# Altium PCB Controller A20.PcbDoc (part 2 of 2) (continued)
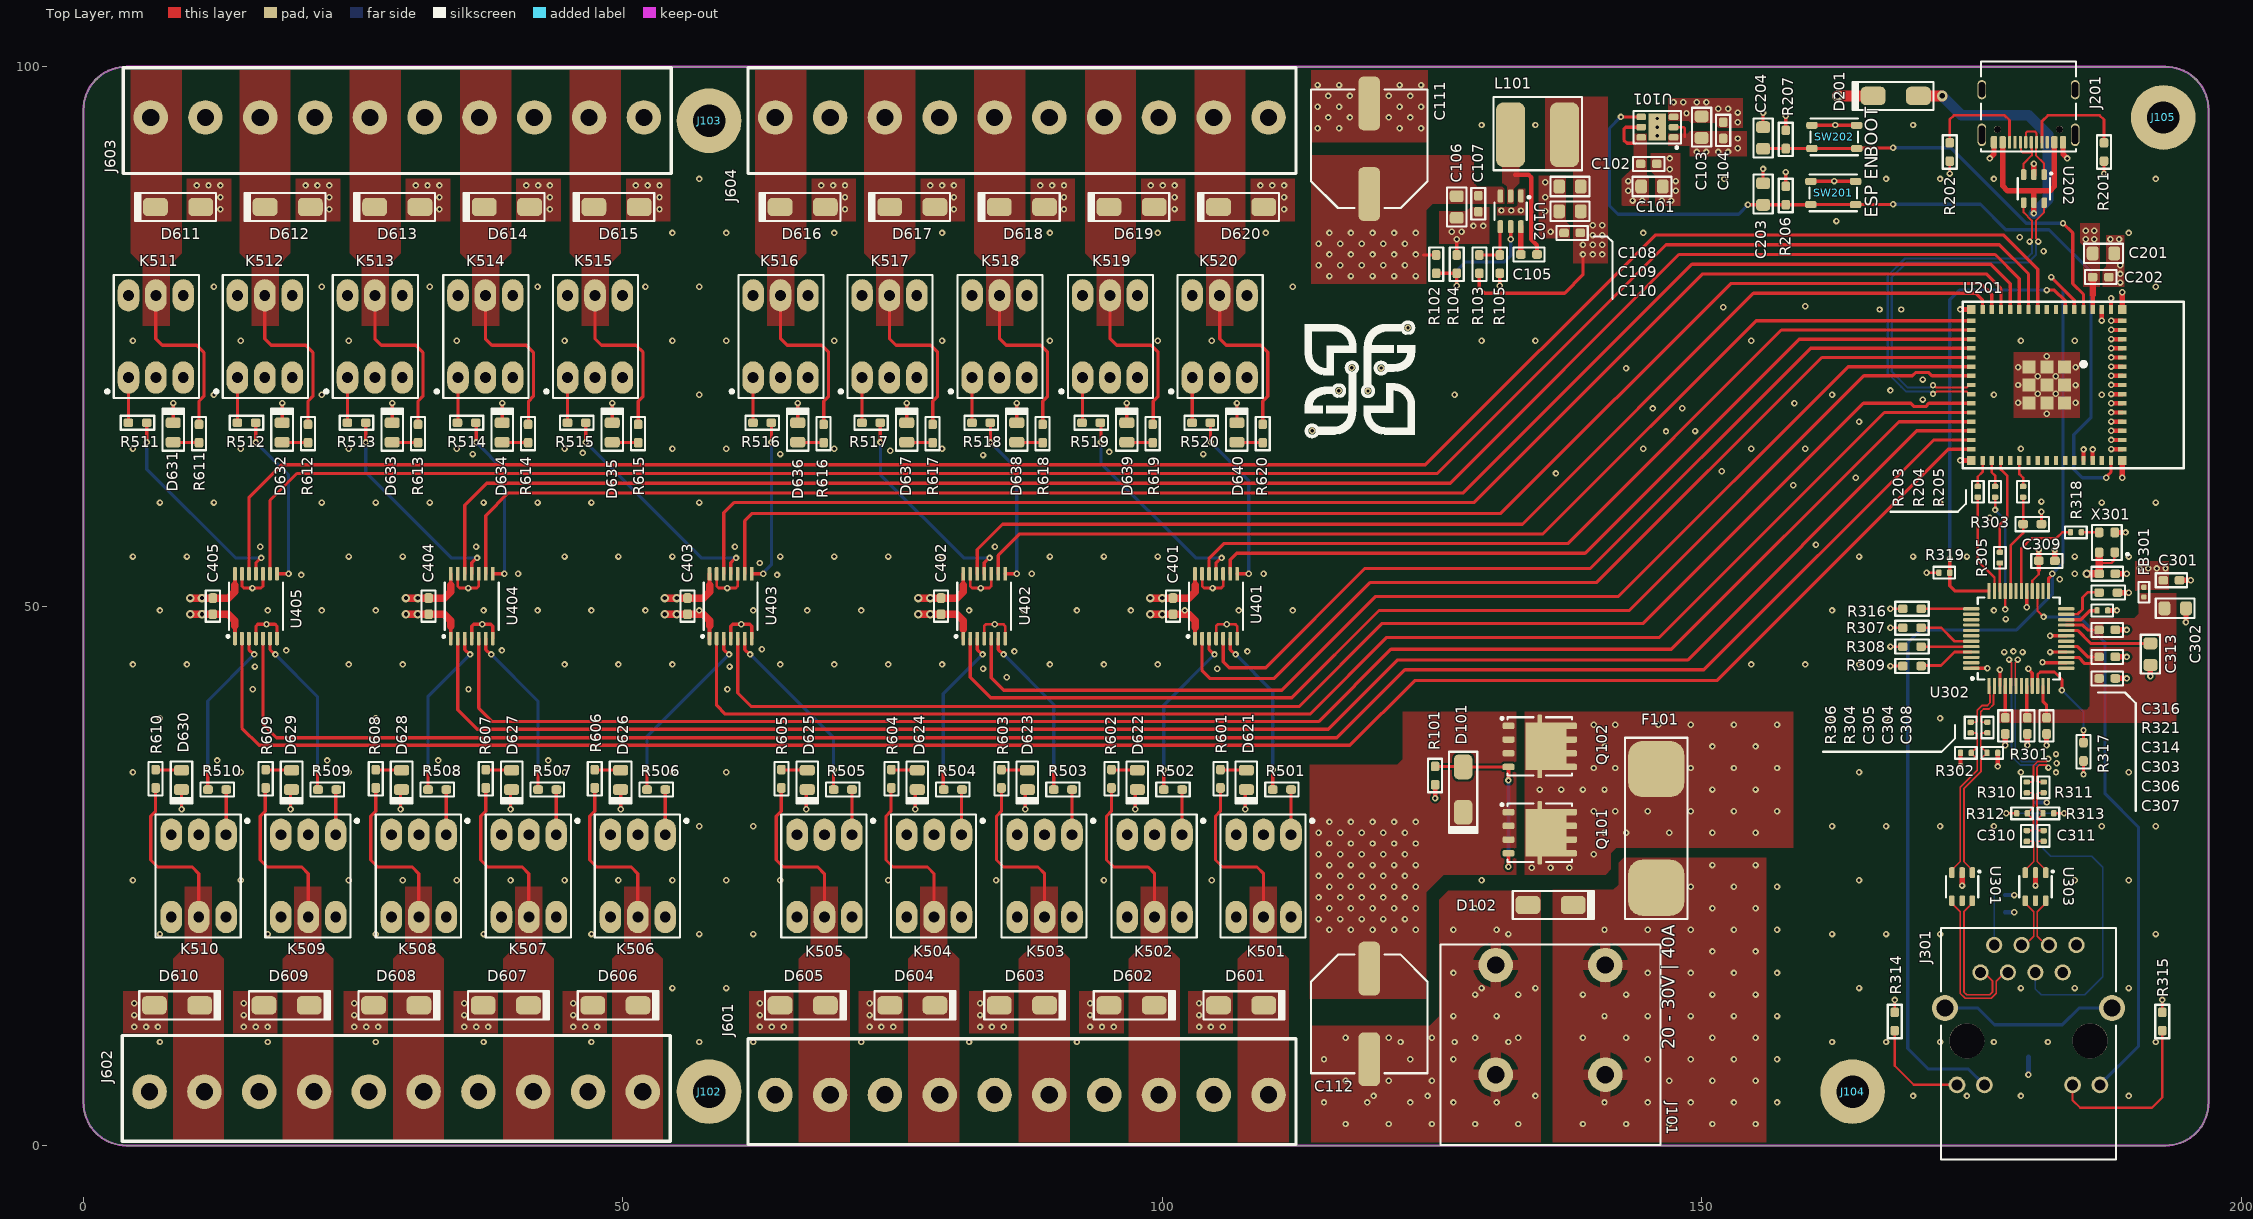
[diagram p0: Top Layer view]
## Nets (pads, with @x,y where several pads share a name; then routed paths per layer and width w, separated by ;. In a path a pad name is that pad's centre, name@x,y a point inside that pad or via, vN(x,y) a via of type N, cw(c..) or ccw(c..) an arc to the next point about the centre after c; other vN are vias at no path point) (continued)
RX_P: C310.1 R310.2 R312.2 | length 5.1
  Top Layer w0.16: C310.1@180.146,29.2 180.664,29.2 180.758,29.294 180.758,29.835 180.758,30.196 180.196,30.758 R312.2@180.196,30.8 ; R310.2@180.15,32.7 180.668,32.7 180.762,32.606 180.762,32.2 180.758,32.196 180.758,31.365 R312.2@180.196,30.803
SSR_A1: K501.1 R501.2 | length 4.2
  Top Layer w0.3: K501.1@111.935,28.805 K501.1@111.94,28.81 111.94,32.99 R501.2@111.945,32.995
SSR_A2: K502.1 R502.2 | length 4.2
  Top Layer w0.3: K502.1@101.835,28.805 K502.1@101.84,28.81 101.84,32.99 R502.2@101.845,32.995
SSR_A3: K503.1 R503.2 | length 4.2
  Top Layer w0.3: K503.1@91.635,28.805 K503.1@91.64,28.81 91.64,32.99 R503.2@91.645,32.995
SSR_A4: K504.1 R504.2 | length 4.2
  Top Layer w0.3: K504.1@81.391,28.805 K504.1@81.396,28.81 81.396,32.99 R504.2@81.401,32.995
SSR_A5: K505.1 R505.2 | length 4.2
  Top Layer w0.3: K505.1@71.231,28.805 K505.1@71.236,28.81 71.236,32.99 R505.2@71.241,32.995
SSR_A6: K506.1 R506.2 | length 4.2
  Top Layer w0.3: K506.1@53.934,28.805 K506.1@53.939,28.81 53.939,32.99 R506.2@53.944,32.995
SSR_A7: K507.1 R507.2 | length 4.2
  Top Layer w0.3: K507.1@43.834,28.805 K507.1@43.839,28.81 43.839,32.99 R507.2@43.844,32.995
SSR_A8: K508.1 R508.2 | length 4.2
  Top Layer w0.3: K508.1@33.634,28.805 K508.1@33.639,28.81 33.639,32.99 R508.2@33.644,32.995
SSR_A9: K509.1 R509.2 | length 4.2
  Top Layer w0.3: K509.1@23.39,28.805 K509.1@23.395,28.81 23.395,32.99 R509.2@23.4,32.995
SSR_A10: K510.1 R510.2 | length 4.2
  Top Layer w0.3: K510.1@13.23,28.805 K510.1@13.235,28.81 13.235,32.99 R510.2@13.24,32.995
SSR_A11: K511.1 R511.2 | length 4.2
  Top Layer w0.3: R511.2@4.171,67 4.176,67.005 4.176,71.185 K511.1@4.181,71.19
SSR_A12: K512.1 R512.2 | length 4.2
  Top Layer w0.3: R512.2@14.271,67 14.276,67.005 14.276,71.185 K512.1@14.281,71.19
SSR_A13: K513.1 R513.2 | length 4.2
  Top Layer w0.3: R513.2@24.471,67 24.476,67.005 24.476,71.185 K513.1@24.481,71.19
SSR_A14: K514.1 R514.2 | length 4.2
  Top Layer w0.3: R514.2@34.715,67 34.72,67.005 34.72,71.185 K514.1@34.725,71.19
SSR_A15: K515.1 R515.2 | length 4.2
  Top Layer w0.3: R515.2@44.875,67 44.88,67.005 44.88,71.185 K515.1@44.885,71.19
SSR_A16: K516.1 R516.2 | length 4.2
  Top Layer w0.3: R516.2@62.074,67.005 62.079,67.01 K516.1@62.079,71.19 K516.1@62.084,71.195
SSR_A17: K517.1 R517.2 | length 4.2
  Top Layer w0.3: R517.2@72.174,67.005 72.179,67.01 K517.1@72.179,71.19 K517.1@72.184,71.195
SSR_A18: K518.1 R518.2 | length 4.2
  Top Layer w0.3: R518.2@82.374,67.005 82.379,67.01 K518.1@82.379,71.19 K518.1@82.384,71.195
SSR_A19: K519.1 R519.2 | length 4.2
  Top Layer w0.3: R519.2@92.618,67.005 92.623,67.01 K519.1@92.623,71.19 K519.1@92.628,71.195
SSR_A20: K520.1 R520.2 | length 4.2
  Top Layer w0.3: R520.2@102.778,67.005 102.783,67.01 K520.1@102.783,71.19 K520.1@102.788,71.195
SW: C105.2 L101.1 U102.2 | length 9
  Top Layer w0.4: 132.7,90 133.966,90 134.2,89.766 134.2,84 134.75,83.45 C105.2@134.75,82.6
TOCAP: C313.2 U302.20 | length 8.3
  Top Layer w0.3: U302.20@183.8,47.75 184.85,47.75 186.05,46.55 C313.2@191.6,46.55
TX_N: R302.1 R306.2 U301.3 | length 14.7
  Top Layer w0.16: U301.3@173.2,25.55 173.985,26.335 173.985,33.21 175.562,34.787 175.562,35.822 R302.1@175,36.384 ; R306.2@174.94,38.25 175.458,38.25 175.552,38.156 175.552,36.968 R302.1@175,36.416
TX_P: R301.1 R304.2 U301.1 | length 14.7
  Top Layer w0.16: U301.1@175.1,25.55 174.315,26.335 174.315,33.073 175.892,34.65 175.892,35.838 R301.1@176.454,36.4 175.882,36.972 175.882,38.156 175.975,38.25 R304.2@176.494,38.25
USB_D_N: J201.A7/B7 U202.1 | length 6.2
  Top Layer w0.2: J201.A7/B7@180.05,93 180.07,93.02 180.07,93.87 180.2,94 180.9,94 181.05,93.85 J201.A7/B7@181.05,93 181,92.95 181,92.35 180.985,92.335 180.985,91.8 181.75,91.035 U202.1@181.75,90
USB_D_P: J201.A6/B6 U202.3 | length 5.2
  Top Layer w0.2: J201.A6/B6@179.55,93 179.6,92.95 179.6,92.2 179.733,92.067 180.615,92.067 ; U202.3@179.85,90 179.85,91.035 180.615,91.8 180.615,92.067 ; J201.A6/B6@180.55,93 180.6,92.95 180.6,92.35 180.615,92.335 180.615,92.067
VBUS: "J201.A4B9/ B4A9" D201.1 U202.5 | length 36.7
  Top Layer w0.5: 177.9,93 177.9,88.975 178.375,88.5 180.8,88.5 ; v1(180.8,86.4) U202.5@180.8,87.4 180.8,88.5 ; 182.7,93 182.7,88.925 182.275,88.5 180.8,88.5
  Top Layer w1: D201.1@170.1,97.3 v5(172.3,97.3)
  Bottom Layer w1: v5(172.3,97.3) 174.1,95.5 180.3,95.5 182.1,93.7 182.1,87.7 v1(180.8,86.4)
VDC: F101.1 Q101.5 Q102.5
  other v1: 134.25,25.75 136,25.75 137.75,25.75 140,27 141,29 143,29 147,29 151,29 155,29 140,31 142,31 145,31 149,31 153,31 157,31 135,33 137,33 139,33 141,33 151,33 155,33 140,35 142,35 149,35 153,35 157,35 141,37 151,37 155,37 140,39 142,39 146,39 149,39 153,39 157,39
VIN: D102.2 F101.2 J101.2
  other v1: 139,2 143,2 147,2 151,2 155,2 141,4 145,4 149,4 153,4 157,4 147,6 151,6 155,6 145,8 149,8 153,8 157,8 139,10 143,10 151,10 155,10 141,12 145,12 149,12 153,12 157,12 139,14 143,14 151,14 155,14 145,16 149,16 153,16 157,16 151,18 155,18 141,20 145,20 149,20 153,20 157,20 151,22 155,22 149,24 153,24 157,24 151,26 155,26
W5500_25MHz: R318.2 U302.30 | length 9.1
  Top Layer w0.23: U302.30@179.65,51.4 179.65,55.35 180.6,56.3 182.9,56.3 183.45,56.85 R318.2@184.2,56.85
W5500_ACTn: J301.12 U302.27 | length 53.1
  Top Layer w0.2: U302.27@181.15,51.4 181.15,49.55 v1(181.7,49)
  Bottom Layer w0.3: v1(181.7,49) 185,49 187.4,46.6 187.4,32.6 190.5,29.5 190.5,9.195 J301.12@186.925,5.62
W5500_CLK: R204.1 U302.33 | length 12.5
  Top Layer w0.23: v1(177.2,58.925) R204.1@177.2,60.1 ; v1(178.15,49.7) U302.33@178.15,51.4
  Bottom Layer w0.23: v1(177.2,58.925) 178.15,57.975 v1(178.15,49.7)
W5500_CS: R205.1 R303.1 U302.32 | length 9.2
  Top Layer w0.23: U302.32@178.65,51.4 178.65,55.625 179.8,56.775 R303.1@179.8,57.6 R205.1@179.8,60.1
W5500_INTn: R319.1 U201.6 U302.36 | length 42.6
  Top Layer w0.3: v1(173,54.4) R319.1@173,53.1 173,51.9 173.5,51.4 U302.36@176.65,51.4 ; v1(182,79.3) 182.7,79.3 183.7,78.3 U201.6@183.7,77.5
  Bottom Layer w0.3: v1(173,54.4) 173,78.4 173.9,79.3 v1(182,79.3)
W5500_LINKn: J301.10 U201.5 U302.25 | length 97.3
  Top Layer w0.3: U302.25@182.15,51.4 182.15,52.542 182.5,52.892 v1(182.5,53) ; v1(182.4,80.5) 184.55,78.35 U201.5@184.55,77.5
  Bottom Layer w0.3: J301.10@176.215,5.62 174.735,7.1 171,7.1 169.1,9 169.1,46.6 170.3,47.8 179.2,47.8 182.5,51.1 v1(182.5,53) 183.5,54 183.5,79.4 v1(182.4,80.5)
W5500_MISO: R305.2 U302.34 | length 2.6
  Top Layer w0.23: U302.34@177.65,51.4 R305.2@177.65,54
W5500_MOSI: R203.1 U302.35 | length 9
  Top Layer w0.23: 175.6,59.8 175.6,59.41 175.6,57.321 175.6,54.2 177.15,52.65 U302.35@177.15,51.4
W5500_RST: R316.1 U302.37 | length 4.7
  Top Layer w0.25: R316.1@170.35,49.754 174.996,49.754 U302.37@175,49.75
W5500_RSVD: R321.2 U302.23 | length 4.6
  Top Layer w0.25: U302.23@183.8,49.25 184.85,49.25 185.3,49.7 185.3,50.8 185.8,51.3 186.804,51.3 R321.2@186.85,51.254
W_RX_N: R311.1 U302.5 | length 18.7
  Top Layer w0.16: v1(178.5,45.05) 178.5,44.971 178.735,44.736 178.735,43.437 178.72,43.422 178.72,42.67 U302.5@178.65,42.6 ; R311.1@181.704,33.7 181.186,33.7 181.092,33.794 181.092,35.067 181.3,35.275 182,35.275 182.15,35.125 v1(182.15,35.04)
  Bottom Layer w0.16: v1(178.5,45.05) 178.5,44.971 178.735,44.736 178.735,36.065 179.525,35.275 181.836,35.275 182.071,35.04 v1(182.15,35.04)
W_RX_P: R310.1 U302.6 | length 18.7
  Top Layer w0.16: U302.6@179.15,42.6 179.08,42.67 179.08,43.422 179.065,43.437 179.065,44.736 179.3,44.971 v1(179.3,45.05) ; R310.1@180.15,33.7 180.668,33.7 180.762,33.794 180.762,35.204 181.163,35.605 182,35.605 182.15,35.755 v1(182.15,35.84)
  Bottom Layer w0.16: v1(179.3,45.05) 179.3,44.971 179.065,44.736 179.065,36.202 179.662,35.605 181.836,35.605 182.071,35.84 v1(182.15,35.84)
W_TX_N: R306.1 U302.1 | length 4.7
  Top Layer w0.16: R306.1@174.94,39.25 175.458,39.25 175.552,39.344 175.552,40.352 176,40.8 176.5,40.8 176.735,41.035 176.735,41.763 176.72,41.778 176.72,42.53 U302.1@176.65,42.6
W_TX_P: R304.1 U302.2 | length 4.7
  Top Layer w0.16: R304.1@176.494,39.25 175.975,39.25 175.882,39.344 175.882,40.215 176.137,40.47 176.637,40.47 177.065,40.898 177.065,41.763 177.08,41.778 177.08,42.53 U302.2@177.15,42.6
pads on no net: J201.A8 J201.B8 J201.H J301. J301.7 K501.3 K502.3 K503.3 K504.3 K505.3 K506.3 K507.3 K508.3 K509.3 K510.3 K511.3 K512.3 K513.3 K514.3 K515.3 K516.3 K517.3 K518.3 K519.3 K520.3 U201.7 U201.8 U201.34 U201.36 U201.37 U201.38 U201.39 U201.40 U201.41 U201.44 U301.5 U302.7 U302.12 U302.13 U302.18 U302.24 U302.26 U302.31 U302.38 U302.39 U302.40 U302.41 U302.42 U302.46 U302.47 U303.5

## Polygon pours and split planes (outlines as drawn)
VIN on Top Layer "VIN_L01_P005" (solid, remove dead copper, pour order 5): 142.8,26.7 142.3,26.2 142.3,24.2 141.8,23.7 136.2,23.7 136.2,0.1 156,0.1 156,26.7
GND on Top Layer "GND_L01_P117" (solid, remove dead copper, pour order 117): 132.95,88.7 133.675,88.7 133.675,86.225 131.05,86.225 131.05,87.025 132.825,87.025 132.95,87.15
GND on Top Layer "GND_L01_P110" (solid, remove dead copper, pour order 110): 113.8,93 124.6,93 124.6,100 113.8,100
+5V on Top Layer "+5V_L01_P015" (solid, remove dead copper, pour order 15): 135.5,97.2 135.5,90.3 138.1,90.3 138.1,81.8 141.3,81.8 141.3,97.2
GND on Top Layer "GND_L01_P108" (solid, remove dead copper, pour order 108): 137.4,89.9 137.4,85.7 137.8,85.3 137.8,84.1 134.9,84.1 134.9,89.9
GND on Top Layer "GND_L01_P107" (solid, remove dead copper, pour order 107): 125.7,86.6 128.2,86.6 128.7,87.1 130.3,87.1 130.3,83.6 125.7,83.6
GND on Top Layer "GND_L01_P066" (solid, remove dead copper, pour order 66): 106.521,14.3 102.421,14.3 102.421,10.4 106.521,10.4
LOAD1 on Top Layer "LOAD1_L01_P065" (solid, remove dead copper, pour order 65): 110.621,24 110.621,18.4 111.721,17.3 111.721,0 107.021,0 107.021,17.3 108.121,18.4 108.121,24
GND on Top Layer "GND_L01_P064" (solid, remove dead copper, pour order 64): 96.421,14.3 92.321,14.3 92.321,10.4 96.421,10.4
LOAD2 on Top Layer "LOAD2_L01_P063" (solid, remove dead copper, pour order 63): 100.521,24 100.521,18.4 101.621,17.3 101.621,0 96.921,0 96.921,17.3 98.021,18.4 98.021,24
GND on Top Layer "GND_L01_P062" (solid, remove dead copper, pour order 62): 86.221,14.3 82.121,14.3 82.121,10.4 86.221,10.4
LOAD3 on Top Layer "LOAD3_L01_P061" (solid, remove dead copper, pour order 61): 90.321,24 90.321,18.4 91.421,17.3 91.421,0 86.721,0 86.721,17.3 87.821,18.4 87.821,24
GND on Top Layer "GND_L01_P060" (solid, remove dead copper, pour order 60): 75.977,14.3 71.877,14.3 71.877,10.4 75.977,10.4
LOAD4 on Top Layer "LOAD4_L01_P059" (solid, remove dead copper, pour order 59): 80.077,24 80.077,18.4 81.177,17.3 81.177,0 76.477,0 76.477,17.3 77.577,18.4 77.577,24
GND on Top Layer "GND_L01_P058" (solid, remove dead copper, pour order 58): 65.817,14.3 61.717,14.3 61.717,10.4 65.817,10.4
LOAD5 on Top Layer "LOAD5_L01_P057" (solid, remove dead copper, pour order 57): 69.917,24 69.917,18.4 71.017,17.3 71.017,0 66.317,0 66.317,17.3 67.417,18.4 67.417,24
GND on Top Layer "GND_L01_P056" (solid, remove dead copper, pour order 56): 48.515,14.295 44.415,14.295 44.415,10.395 48.515,10.395
LOAD6 on Top Layer "LOAD6_L01_P055" (solid, remove dead copper, pour order 55): 52.615,23.995 52.615,18.395 53.715,17.295 53.715,-0.005 49.015,-0.005 49.015,17.295 50.115,18.395 50.115,23.995
GND on Top Layer "GND_L01_P054" (solid, remove dead copper, pour order 54): 38.415,14.295 34.315,14.295 34.315,10.395 38.415,10.395
LOAD7 on Top Layer "LOAD7_L01_P053" (solid, remove dead copper, pour order 53): 42.515,23.995 42.515,18.395 43.615,17.295 43.615,-0.005 38.915,-0.005 38.915,17.295 40.015,18.395 40.015,23.995
GND on Top Layer "GND_L01_P052" (solid, remove dead copper, pour order 52): 28.215,14.295 24.115,14.295 24.115,10.395 28.215,10.395
LOAD8 on Top Layer "LOAD8_L01_P051" (solid, remove dead copper, pour order 51): 32.315,23.995 32.315,18.395 33.415,17.295 33.415,-0.005 28.715,-0.005 28.715,17.295 29.815,18.395 29.815,23.995
GND on Top Layer "GND_L01_P050" (solid, remove dead copper, pour order 50): 17.971,14.295 13.871,14.295 13.871,10.395 17.971,10.395
LOAD9 on Top Layer "LOAD9_L01_P049" (solid, remove dead copper, pour order 49): 22.071,23.995 22.071,18.395 23.171,17.295 23.171,-0.005 18.471,-0.005 18.471,17.295 19.571,18.395 19.571,23.995
GND on Top Layer "GND_L01_P048" (solid, remove dead copper, pour order 48): 7.811,14.295 3.711,14.295 3.711,10.395 7.811,10.395
LOAD10 on Top Layer "LOAD10_L01_P047" (solid, remove dead copper, pour order 47): 11.911,23.995 11.911,18.395 13.011,17.295 13.011,-0.005 8.311,-0.005 8.311,17.295 9.411,18.395 9.411,23.995
GND on Top Layer "GND_L01_P044" (solid, remove dead copper, pour order 44): 108.202,85.7 112.302,85.7 112.302,89.6 108.202,89.6
LOAD20 on Top Layer "LOAD20_L01_P043" (solid, remove dead copper, pour order 43): 104.102,76 104.102,81.6 103.002,82.7 103.002,100 107.702,100 107.702,82.7 106.602,81.6 106.602,76
GND on Top Layer "GND_L01_P042" (solid, remove dead copper, pour order 42): 98.047,85.705 102.147,85.705 102.147,89.605 98.047,89.605
LOAD19 on Top Layer "LOAD19_L01_P041" (solid, remove dead copper, pour order 41): 93.947,76.005 93.947,81.605 92.847,82.705 92.847,100.005 97.547,100.005 97.547,82.705 96.447,81.605 96.447,76.005
GND on Top Layer "GND_L01_P040" (solid, remove dead copper, pour order 40): 87.798,85.7 91.898,85.7 91.898,89.6 87.798,89.6
LOAD18 on Top Layer "LOAD18_L01_P039" (solid, remove dead copper, pour order 39): 83.698,76 83.698,81.6 82.598,82.7 82.598,100 87.298,100 87.298,82.7 86.198,81.6 86.198,76
GND on Top Layer "GND_L01_P038" (solid, remove dead copper, pour order 38): 77.598,85.7 81.698,85.7 81.698,89.6 77.598,89.6
LOAD17 on Top Layer "LOAD17_L01_P037" (solid, remove dead copper, pour order 37): 73.498,76 73.498,81.6 72.398,82.7 72.398,100 77.098,100 77.098,82.7 75.998,81.6 75.998,76
GND on Top Layer "GND_L01_P036" (solid, remove dead copper, pour order 36): 67.498,85.7 71.598,85.7 71.598,89.6 67.498,89.6
LOAD16 on Top Layer "LOAD16_L01_P035" (solid, remove dead copper, pour order 35): 63.398,76 63.398,81.6 62.298,82.7 62.298,100 66.998,100 66.998,82.7 65.898,81.6 65.898,76
GND on Top Layer "GND_L01_P034" (solid, remove dead copper, pour order 34): 50.304,85.7 54.404,85.7 54.404,89.6 50.304,89.6
LOAD15 on Top Layer "LOAD15_L01_P033" (solid, remove dead copper, pour order 33): 46.204,76 46.204,81.6 45.104,82.7 45.104,100 49.804,100 49.804,82.7 48.704,81.6 48.704,76
GND on Top Layer "GND_L01_P032" (solid, remove dead copper, pour order 32): 40.144,85.7 44.244,85.7 44.244,89.6 40.144,89.6
LOAD14 on Top Layer "LOAD14_L01_P031" (solid, remove dead copper, pour order 31): 36.044,76 36.044,81.6 34.944,82.7 34.944,100 39.644,100 39.644,82.7 38.544,81.6 38.544,76
GND on Top Layer "GND_L01_P030" (solid, remove dead copper, pour order 30): 29.9,85.7 34,85.7 34,89.6 29.9,89.6
LOAD13 on Top Layer "LOAD13_L01_P029" (solid, remove dead copper, pour order 29): 25.8,76 25.8,81.6 24.7,82.7 24.7,100 29.4,100 29.4,82.7 28.3,81.6 28.3,76
GND on Top Layer "GND_L01_P028" (solid, remove dead copper, pour order 28): 19.7,85.7 23.8,85.7 23.8,89.6 19.7,89.6
LOAD12 on Top Layer "LOAD12_L01_P027" (solid, remove dead copper, pour order 27): 15.6,76 15.6,81.6 14.5,82.7 14.5,100 19.2,100 19.2,82.7 18.1,81.6 18.1,76
GND on Top Layer "GND_L01_P026" (solid, remove dead copper, pour order 26): 9.6,85.7 13.7,85.7 13.7,89.6 9.6,89.6
LOAD11 on Top Layer "LOAD11_L01_P025" (solid, remove dead copper, pour order 25): 5.5,76 5.5,81.6 4.4,82.7 4.4,100 9.1,100 9.1,82.7 8,81.6 8,76
GND on Top Layer "GND_L01_P020" (solid, remove dead copper, pour order 20): 151.6,94.35 151.15,94.8 149,94.8 148.8,95 146.9,95 146.9,97.1 148.9,97.1 153.8,97.1 153.8,94.35
+3V3 on Top Layer "+3V3_L01_P019" (solid, remove dead copper, pour order 19): 148.9,91.7 154.2,91.7 154.2,94 148.9,94 148.7,93.8 146.9,93.8 146.9,92.7 148.9,92.7
GND on Top Layer "GND_L01_P018" (solid, remove dead copper, pour order 18): 145.7,87.1 145.7,89.9 145.3,90.3 145.3,92 148,92 148,87.1
+5V on Top Layer "+5V_L01_P017" (solid, remove dead copper, pour order 17): 143.7,90.7 142.6,89.6 142.6,87 142.7,87.1 145.1,87.1 145.1,89.8 144.9,90 144.9,93.8 143.7,93.8
SW on Top Layer "SW_L01_P014" (solid, remove dead copper, pour order 14): 132,87.3 132,88.7 131.5,89.2 131.5,90.4 131.5,93.7 133.1,93.7 133.1,89.2 132.6,88.7 132.6,87.3
+24V on Top Layer "+24V_L01_P011" (solid, remove dead copper, pour order 11): 131.7,88.7 131.5,88.9 129.2,88.9 129,89.1 128.9,89.2 128.9,91.4 128.5,91.8 113.8,91.8 113.8,79.9 124.5,79.9 124.5,86.7 125.1,87.3 131.7,87.3
GND on Top Layer "GND_L01_P008" (solid, remove dead copper, pour order 8): 113.8,11.1 124.8,11.1 125.7,12 125.7,22.8 126.5,23.6 135.1,23.6 135.1,0.1 113.8,0.1
+24V on Top Layer "+24V_L01_P007" (solid, remove dead copper, pour order 7): 121.8,35.3 122.3,35.8 122.3,40.2 132.8,40.2 132.8,25.1 126.1,25.1 124.5,23.5 124.5,13.6 113.7,13.6 113.7,35.3
VDC on Top Layer "VDC_L01_P006" (solid, remove dead copper, pour order 6): 141.6,25.6 141.1,25.1 133.6,25.1 133.6,40.2 158.5,40.2 158.5,27.6 142.1,27.6 141.6,27.1
GND on Top Layer "GND_L01_P004" (solid, remove dead copper, pour order 4): 189.2,84.4 187.5,84.4 187.5,81.5 187.2,81.2 187.2,79.6 189.2,79.6
+3V3 on Top Layer "+3V3_L01_P003" (solid, remove dead copper, pour order 3): 185.1,83.7 185.4,83.4 185.4,79.6 186.9,79.6 186.9,85.5 185.1,85.5
+3V3 on Top Layer "+3V3_L01_P002" (solid, remove dead copper, pour order 2): 190.2,51.45 193.3,51.45 193.3,54.15 190.2,54.15
GND on Top Layer "GND_L01_P001" (solid, pour order 1): 178.951,73.548 185.047,73.548 185.047,67.452 178.951,67.452
+3V3A on Top Layer "+3V3A_L01_P000" (solid, remove dead copper, pour order 0): 194,51.2 194,39.2 177.4,39.2 177.4,40.4 185.7,40.4 186,40.7 186,48.9 190.1,48.9 190.5,49.3 190.5,51.2
+3V3 on L3 (PWR) "+3V3_L03_P121" (solid, remove dead copper, pour order 121): 149,43 150,42 160.5,42 162.3,40.2 162.3,0 197,0 197,100 149,100
GND on L3 (PWR) "GND_L03_P118" (solid, remove dead copper, pour order 118): 176.4,57.2 175.9,57.7 175.9,59.7 179,59.7 179,47.9 180.5,46.4 180.5,37.5 181.3,36.7 183.6,36.7 183.6,34.1 179.3,34.1 177.3,36.1 177.3,46.4 176.4,47.3
VIN on L3 (PWR) "VIN_L03_P115" (solid, remove dead copper, pour order 115): 158.8,26.7 159,26.5 159,0.1 127.5,0.1 127.5,23.2 128,23.7 141.8,23.7 142.3,24.2 142.3,26.2 142.8,26.7
VDC on L3 (PWR) "VDC_L03_P116" (solid, remove dead copper, pour order 116): 158.6,27.6 158.9,27.9 158.9,39 127.5,39 127.5,25.5 127.9,25.1 141.1,25.1 141.6,25.6 141.6,27.1 142.1,27.6
+5V on L3 (PWR) "+5V_L03_P016" (solid, remove dead copper, pour order 16): 146,41 145,40 10,40 9,41 9,59 10,60 127,60 128,61 128,100 146,100
+24V on L3 (PWR) "+24V_L03_P010" (solid, remove dead copper, pour order 10): 123,37 124.5,35.5 124.5,0 -0.004,0 -0.004,100 125,100 125,64 124,63 9,63 8,62 8,38 9,37
GND on L3 (PWR) "GND_L03_P021" (solid, remove dead copper, pour order 21): 182.2,85.1 182.2,81.1 170.4,81.1 168.9,79.6 168.9,72.6 169.9,71.6 173.1,71.6 173.1,68.6 168.2,68.6 166.1,70.7 166.1,82.4 166.8,83.1 179.1,83.1 179.1,85.1
GND on Bottom Layer "GND_L04_P114" (solid, remove dead copper, pour order 114): 0,0 197,0 197,100 0,100
GND on Bottom Layer "GND_L04_P113" (solid, remove dead copper, pour order 113): 113.8,11.1 124.8,11.1 125.7,12 125.7,22.8 126.5,23.6 135.1,23.6 135.1,0.1 113.8,0.1
VDC on Bottom Layer "VDC_L04_P112" (solid, remove dead copper, pour order 112): 159,28.25 158.35,27.6 142.1,27.6 141.6,27.1 141.6,25.6 141.1,25.1 133.6,25.1 133.6,40.2 159,40.2
VIN on Bottom Layer "VIN_L04_P111" (solid, remove dead copper, pour order 111): 158.3,26.7 159,26 159,0.1 136.2,0.1 136.2,23.7 141.8,23.7 142.3,24.2 142.3,26.2 142.8,26.7
GND on Bottom Layer "GND_L04_P106" (solid, remove dead copper, pour order 106): 106.521,14.3 102.421,14.3 102.421,10.4 106.521,10.4
LOAD1 on Bottom Layer "LOAD1_L04_P105" (solid, remove dead copper, pour order 105): 110.621,24 110.621,18.4 111.721,17.3 111.721,0 107.021,0 107.021,17.3 108.121,18.4 108.121,24
GND on Bottom Layer "GND_L04_P104" (solid, remove dead copper, pour order 104): 96.421,14.3 92.321,14.3 92.321,10.4 96.421,10.4
LOAD2 on Bottom Layer "LOAD2_L04_P103" (solid, remove dead copper, pour order 103): 100.521,24 100.521,18.4 101.621,17.3 101.621,0 96.921,0 96.921,17.3 98.021,18.4 98.021,24
GND on Bottom Layer "GND_L04_P102" (solid, remove dead copper, pour order 102): 86.221,14.3 82.121,14.3 82.121,10.4 86.221,10.4
LOAD3 on Bottom Layer "LOAD3_L04_P101" (solid, remove dead copper, pour order 101): 90.321,24 90.321,18.4 91.421,17.3 91.421,0 86.721,0 86.721,17.3 87.821,18.4 87.821,24
GND on Bottom Layer "GND_L04_P100" (solid, remove dead copper, pour order 100): 75.977,14.3 71.877,14.3 71.877,10.4 75.977,10.4
LOAD4 on Bottom Layer "LOAD4_L04_P099" (solid, remove dead copper, pour order 99): 80.077,24 80.077,18.4 81.177,17.3 81.177,0 76.477,0 76.477,17.3 77.577,18.4 77.577,24
GND on Bottom Layer "GND_L04_P098" (solid, remove dead copper, pour order 98): 65.817,14.3 61.717,14.3 61.717,10.4 65.817,10.4
LOAD5 on Bottom Layer "LOAD5_L04_P097" (solid, remove dead copper, pour order 97): 69.917,24 69.917,18.4 71.017,17.3 71.017,0 66.317,0 66.317,17.3 67.417,18.4 67.417,24
GND on Bottom Layer "GND_L04_P096" (solid, remove dead copper, pour order 96): 48.515,14.295 44.415,14.295 44.415,10.395 48.515,10.395
LOAD6 on Bottom Layer "LOAD6_L04_P095" (solid, remove dead copper, pour order 95): 52.615,23.995 52.615,18.395 53.715,17.295 53.715,-0.005 49.015,-0.005 49.015,17.295 50.115,18.395 50.115,23.995
GND on Bottom Layer "GND_L04_P094" (solid, remove dead copper, pour order 94): 38.415,14.295 34.315,14.295 34.315,10.395 38.415,10.395
LOAD7 on Bottom Layer "LOAD7_L04_P093" (solid, remove dead copper, pour order 93): 42.515,23.995 42.515,18.395 43.615,17.295 43.615,-0.005 38.915,-0.005 38.915,17.295 40.015,18.395 40.015,23.995
GND on Bottom Layer "GND_L04_P092" (solid, remove dead copper, pour order 92): 28.215,14.295 24.115,14.295 24.115,10.395 28.215,10.395
LOAD8 on Bottom Layer "LOAD8_L04_P091" (solid, remove dead copper, pour order 91): 32.315,23.995 32.315,18.395 33.415,17.295 33.415,-0.005 28.715,-0.005 28.715,17.295 29.815,18.395 29.815,23.995
GND on Bottom Layer "GND_L04_P090" (solid, remove dead copper, pour order 90): 17.971,14.295 13.871,14.295 13.871,10.395 17.971,10.395
LOAD9 on Bottom Layer "LOAD9_L04_P089" (solid, remove dead copper, pour order 89): 22.071,23.995 22.071,18.395 23.171,17.295 23.171,-0.005 18.471,-0.005 18.471,17.295 19.571,18.395 19.571,23.995
GND on Bottom Layer "GND_L04_P088" (solid, remove dead copper, pour order 88): 7.811,14.295 3.711,14.295 3.711,10.395 7.811,10.395
LOAD10 on Bottom Layer "LOAD10_L04_P087" (solid, remove dead copper, pour order 87): 11.911,23.995 11.911,18.395 13.011,17.295 13.011,-0.005 8.311,-0.005 8.311,17.295 9.411,18.395 9.411,23.995
GND on Bottom Layer "GND_L04_P086" (solid, remove dead copper, pour order 86): 108.202,85.7 112.302,85.7 112.302,89.6 108.202,89.6
LOAD20 on Bottom Layer "LOAD20_L04_P085" (solid, remove dead copper, pour order 85): 104.102,76 104.102,81.6 103.002,82.7 103.002,100 107.702,100 107.702,82.7 106.602,81.6 106.602,76
GND on Bottom Layer "GND_L04_P084" (solid, remove dead copper, pour order 84): 98.047,85.705 102.147,85.705 102.147,89.605 98.047,89.605
LOAD19 on Bottom Layer "LOAD19_L04_P083" (solid, remove dead copper, pour order 83): 93.947,76.005 93.947,81.605 92.847,82.705 92.847,100.005 97.547,100.005 97.547,82.705 96.447,81.605 96.447,76.005
GND on Bottom Layer "GND_L04_P082" (solid, remove dead copper, pour order 82): 87.798,85.7 91.898,85.7 91.898,89.6 87.798,89.6
LOAD18 on Bottom Layer "LOAD18_L04_P081" (solid, remove dead copper, pour order 81): 83.698,76 83.698,81.6 82.598,82.7 82.598,100 87.298,100 87.298,82.7 86.198,81.6 86.198,76
GND on Bottom Layer "GND_L04_P080" (solid, remove dead copper, pour order 80): 77.598,85.7 81.698,85.7 81.698,89.6 77.598,89.6
LOAD17 on Bottom Layer "LOAD17_L04_P079" (solid, remove dead copper, pour order 79): 73.498,76 73.498,81.6 72.398,82.7 72.398,100 77.098,100 77.098,82.7 75.998,81.6 75.998,76
GND on Bottom Layer "GND_L04_P078" (solid, remove dead copper, pour order 78): 67.498,85.7 71.598,85.7 71.598,89.6 67.498,89.6
LOAD16 on Bottom Layer "LOAD16_L04_P077" (solid, remove dead copper, pour order 77): 63.398,76 63.398,81.6 62.298,82.7 62.298,100 66.998,100 66.998,82.7 65.898,81.6 65.898,76
GND on Bottom Layer "GND_L04_P076" (solid, remove dead copper, pour order 76): 50.304,85.7 54.404,85.7 54.404,89.6 50.304,89.6
LOAD15 on Bottom Layer "LOAD15_L04_P075" (solid, remove dead copper, pour order 75): 46.204,76 46.204,81.6 45.104,82.7 45.104,100 49.804,100 49.804,82.7 48.704,81.6 48.704,76
GND on Bottom Layer "GND_L04_P074" (solid, remove dead copper, pour order 74): 40.144,85.7 44.244,85.7 44.244,89.6 40.144,89.6
LOAD14 on Bottom Layer "LOAD14_L04_P073" (solid, remove dead copper, pour order 73): 36.044,76 36.044,81.6 34.944,82.7 34.944,100 39.644,100 39.644,82.7 38.544,81.6 38.544,76
GND on Bottom Layer "GND_L04_P072" (solid, remove dead copper, pour order 72): 29.9,85.7 34,85.7 34,89.6 29.9,89.6
LOAD13 on Bottom Layer "LOAD13_L04_P071" (solid, remove dead copper, pour order 71): 25.8,76 25.8,81.6 24.7,82.7 24.7,100 29.4,100 29.4,82.7 28.3,81.6 28.3,76
GND on Bottom Layer "GND_L04_P070" (solid, remove dead copper, pour order 70): 19.7,85.7 23.8,85.7 23.8,89.6 19.7,89.6
LOAD12 on Bottom Layer "LOAD12_L04_P069" (solid, remove dead copper, pour order 69): 15.6,76 15.6,81.6 14.5,82.7 14.5,100 19.2,100 19.2,82.7 18.1,81.6 18.1,76
GND on Bottom Layer "GND_L04_P068" (solid, remove dead copper, pour order 68): 9.6,85.7 13.7,85.7 13.7,89.6 9.6,89.6
LOAD11 on Bottom Layer "LOAD11_L04_P067" (solid, remove dead copper, pour order 67): 5.5,76 5.5,81.6 4.4,82.7 4.4,100 9.1,100 9.1,82.7 8,81.6 8,76
GND on L2 (GND) "GND_L02_P109" (solid, remove dead copper, pour order 109): 0,0 197,0 197,100 0,100

## Keep-outs
Keep-Out Layer:
  the board outline again, w0.2

## Other copper
Top Layer:
  pour cut-out: 189.5,78.4 189.5,62.6 197,62.6 197,78.4
  pour cut-out: 124.7,34 125.9,34 125.9,34.6 125.8,34.6 124.7,34.6
  pour cut-out: 192.5,46.2 190.7,46.2 190.7,44.8 192.5,44.8
  pour cut-out: 187.3,43.9 187.3,42.7 187.9,42.7 187.9,42.8 187.9,43.9
  pour cut-out: 187.3,45.9 187.3,44.7 187.9,44.7 187.9,44.8 187.9,45.9
  pour cut-out: 187.3,48.4 187.3,47.2 187.9,47.2 187.9,47.3 187.9,48.4
L2 (GND):
  pour cut-out: 189.5,78.4 189.5,62.6 197,62.6 197,78.4
L3 (PWR):
  pour cut-out: 189.5,78.4 189.5,62.6 197,62.6 197,78.4
Bottom Layer:
  pour cut-out: 158.75,27.6 158.75,26.7 142.596,26.7 142.096,26.2 142.096,24.284 141.716,23.904 136.2,23.904 136.2,24.95 136.25,25 140.966,25 141.304,25 141.804,25.5 141.804,25.837 141.804,26.616 142.788,27.6
  pour cut-out: 189.5,78.4 189.5,62.6 197,62.6 197,78.4

## Silkscreen, mask and mechanical layers (free items; w line width, h text height)
Top Overlay:
  drawing of 20 lines, arcs and shapes, not listed
  text "BOOT" at 166.768,91.587 h2 r90
  text "ESP EN" at 166.768,86.015 h2 r90
  text "20 - 30V | 40A" at 147.932,8.94 h2 r90
Bottom Overlay:
  drawing of 23 lines, arcs and shapes, not listed